# Altium PCB PCB1.PcbDoc (part 2 of 4)
Units mm, origin at the board's own origin, x right, y up, seen from the top; angles counter-clockwise.
Board outline 170.5 x 170.3 mm, 2 copper layers (Top Layer, Bottom Layer); 947 components, 657 nets, 3453 pads, 181 vias.
Unrouted connection lines stored in the file: 2490.
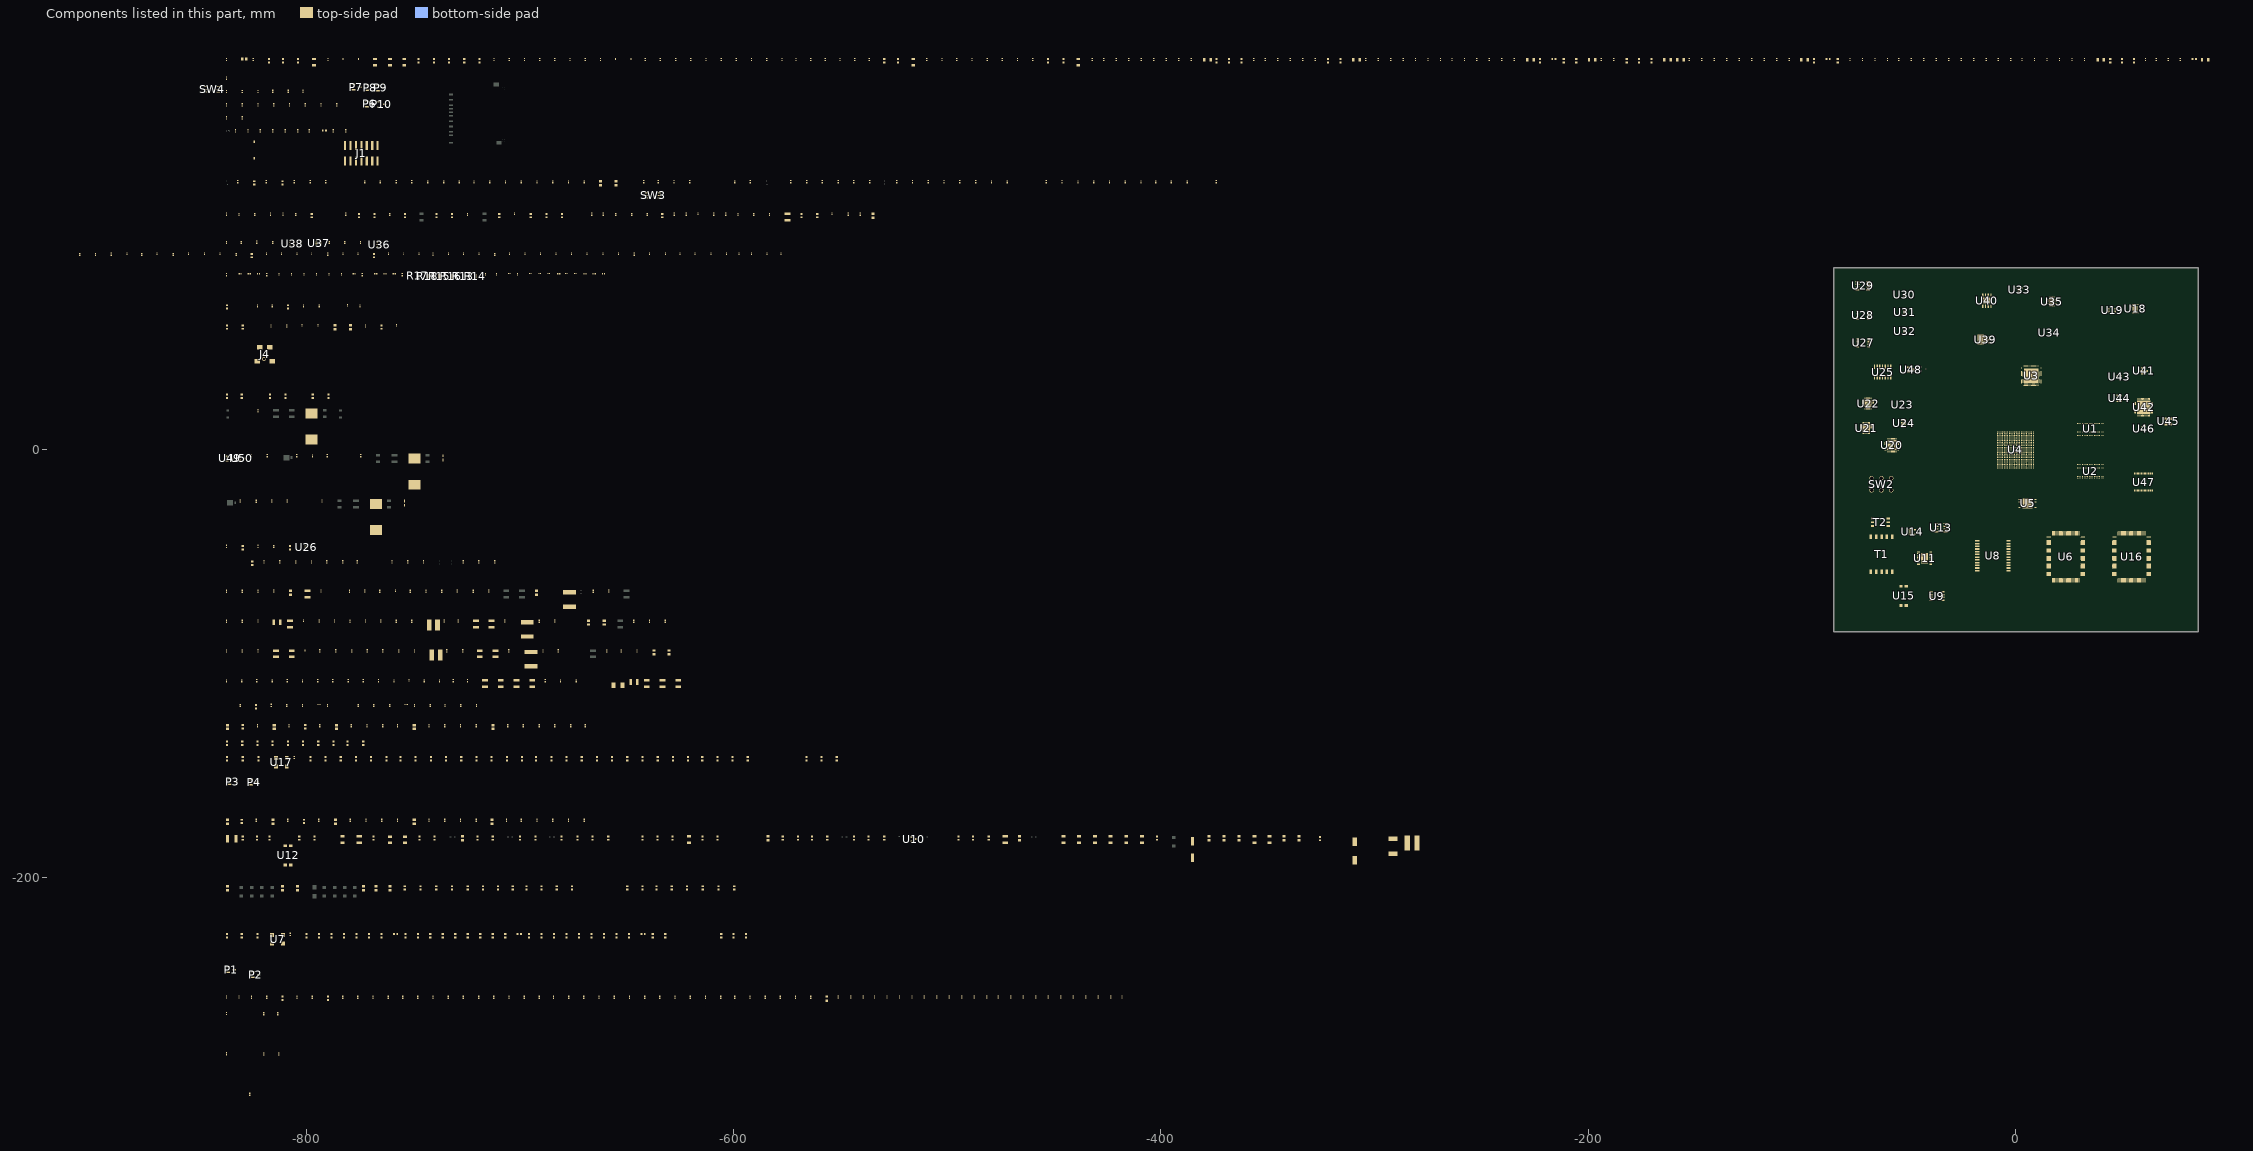
[diagram p2: the components of this part, seen from the top]

## Components (designator, comment, footprint, x,y, rotation, side; value= is the part's Value field where it differs from the comment) (continued)
L1 "INDUCTOR" Inductor_MSS7341-103MLB_2-PIN -282.382,-183.899 r0 top
L2 "INDUCTOR" Inductor_DO1813H-181MLB_2-PINS -291.272,-185.423 r90 top
L3 "INDUCTOR" Inductor0402(1005) -753.171,-119.129 r0 top
L4 "INDUCTOR" Inductor0402(1005) -793.938,-119.129 r0 top
L5 "INDUCTOR" Inductor_IHLP2020CZER1R5M01_2-PIN -653.984,-110.112 r0 top
L6 "INDUCTOR" Inductor_SRN6045-Series_2-PIN -694.751,-97.92 r90 top
L7 "INDUCTOR" Inductor_NRS5020T1R0NMGJ_2-PIN -739.201,-95.888 r0 top
L8 "INDUCTOR" Inductor_SRN6045-Series_2-PIN -696.529,-83.95 r90 top
L9 "INDUCTOR" Inductor_NRS5020T1R0NMGJ_2-PIN -740.471,-81.918 r0 top
L10 "INDUCTOR" Inductor_SRN6045-Series_2-PIN -676.717,-69.98 r90 top
L11 "INDUCTOR" Inductor_IHSM4825ER_2-PIN -767.268,-31.372 r90 top
L12 "INDUCTOR" Inductor_IHSM4825ER_2-PIN -749.234,-10.163 r90 top
L13 "INDUCTOR" Inductor_IHSM4825ER_2-PIN -797.367,11.046 r90 top
L14 "INDUCTOR" Inductor0402(1005) -546.288,110.36 r90 top
L15 "INDUCTOR" Inductor0402(1005) -540.7,110.36 r90 top
L16 "INDUCTOR" Inductor0402(1005) -609.153,110.36 r90 top
L17 "INDUCTOR" Inductor0402(1005) -603.565,110.36 r90 top
L18 "INDUCTOR" Inductor0402(1005) -627.695,110.36 r90 top
L19 "INDUCTOR" Inductor0402(1005) -622.107,110.36 r90 top
L20 "INDUCTOR" Inductor0603(1608) -633.283,109.725 r90 top
L21 "INDUCTOR" Inductor0402(1005) -666.303,110.36 r90 top
L22 "INDUCTOR" Inductor0402(1005) -660.969,110.36 r90 top
L23 "INDUCTOR" Inductor0402(1005) -781.365,110.36 r90 top
L24 "INDUCTOR" Inductor0402(1005) -816.671,110.36 r90 top
L25 "INDUCTOR" Inductor0402(1005) -810.829,110.36 r90 top
L26 "INDUCTOR" Inductor0402(1005) -837.245,110.36 r90 top
LD1 "LED0603" LED0603(1608) -791.398,149.476 r0 top
LD2 "LED0805" LED0805(2012) -466.024,-181.74 r90 top
LD3 "LED0603" LED0603(1608) -823.021,-181.613 r90 top
LD4 "LED0805" LED0603(1608) -811.083,124.965 r90 top
LD5 "LED0805" LED0603(1608) -824.291,124.965 r90 top
LD6 "LED0603" LED0603(1608)_HSMG-C190 -825.18,-52.962 r90 top
P1 "GRPB031VWTC-RC" Header_3-Pos_Sullins_GRPB031VWTC-RC -835.125,-243.25 r0 top
P2 "GRPB031VWTC-RC" Header_3-Pos_Sullins_GRPB031VWTC-RC -823.475,-245.5 r0 top
P3 "GRPB031VWTC-RC" Header_3-Pos_Sullins_GRPB031VWTC-RC -834.325,-155.225 r0 top
P4 "GRPB031VWTC-RC" Header_3-Pos_Sullins_GRPB031VWTC-RC -824.375,-155.5 r0 top
P6 "GRPB031VWTC-RC" Header_3-Pos_Sullins_GRPB031VWTC-RC -770.125,162 r0 top
P7 "GRPB031VWTC-RC" Header_3-Pos_Sullins_GRPB031VWTC-RC -776.425,169.8 r0 top
P8 "GRPB031VWTC-RC" Header_3-Pos_Sullins_GRPB031VWTC-RC -770.05,169.575 r0 top
P9 "GRPB031VWTC-RC" Header_3-Pos_Sullins_GRPB031VWTC-RC -764.975,169.475 r0 top
P10 "GRPB031VWTC-RC" Header_3-Pos_Sullins_GRPB031VWTC-RC -764.5,161.775 r0 top
R1 "RES_0402" RESC0402(1005)_N -660.842,82.42 r0 top
R2 "RES_0402" RESC0402(1005)_N -669.478,82.42 r0 top
R3 "RES_0402" RESC0402(1005)_N -665.16,82.42 r0 top
R4 "RES_0201" RESC0201(0603)_N -673.923,82.547 r0 top
R5 "RES_0201" RESC0201(0603)_N -678.241,82.547 r0 top
R6 "RES_0201" RESC0201(0603)_N -686.369,82.547 r0 top
R7 "RES_0201" RESC0201(0603)_N -695.005,82.547 r0 top
R8 "RES_0201" RESC0201(0603)_N -690.687,82.547 r0 top
R9 "RES_0201" RESC0201(0603)_N -704.911,82.547 r0 top
R10 "RES_0201" RESC0201(0603)_N -700.974,82.166 r90 top
R11 "RES_0201" RESC0201(0603)_N -715.96,82.166 r90 top
R12 "RES_0201" RESC0201(0603)_N -710.88,82.166 r90 top
R13 "RES_4-ARRAY" RES_4-ARRAY_YC124-JR-0722RL -726.374,81.404 r0 top
R14 "RES_4-ARRAY" RES_4-ARRAY_YC124-JR-0722RL -720.786,81.404 r0 top
R15 "RES_4-ARRAY" RES_4-ARRAY_YC124-JR-0722RL -737.55,81.404 r0 top
R16 "RES_4-ARRAY" RES_4-ARRAY_YC124-JR-0722RL -731.962,81.404 r0 top
R17 "RES_4-ARRAY" RES_4-ARRAY_YC124-JR-0722RL -747.65,81.5 r0 top
R18 "RES_4-ARRAY" RES_4-ARRAY_YC124-JR-0722RL -743.138,81.404 r0 top
R19 "RES_0402" RESC0402(1005)_N -754.949,82.039 r90 top
R20 "RES_0402" RESC0402(1005)_N -773.745,82.039 r90 top
R21 "RES_0201" RESC0201(0603)_N -783.524,82.166 r90 top
R22 "RES_0201" RESC0201(0603)_N -789.366,82.166 r90 top
R23 "RES_0201" RESC0201(0603)_N -795.208,82.166 r90 top
R24 "RES_0201" RESC0201(0603)_N -801.05,82.166 r90 top
R25 "RES_0201" RESC0201(0603)_N -812.734,82.166 r90 top
R26 "RES_0201" RESC0201(0603)_N -806.892,82.166 r90 top
R27 "RES_0402" RESC0402(1005)_N -818.449,82.039 r90 top
R28 "RES_0402" RESC0402(1005)_N -837.245,82.039 r90 top
R29 "RES_0402" RESC0402(1005)_N -787.334,149.349 r90 top
R30 "RES_0402" RESC0402(1005)_N -781.492,149.349 r90 top
R31 "RES_0402" RESC0402(1005)_N -803.844,149.349 r90 top
R32 "RES_0402" RESC0402(1005)_N -798.51,149.349 r90 top
R33 "RES_0402" RESC0402(1005)_N -809.686,149.349 r90 top
R34 "RES_0402" RESC0402(1005)_N -821.37,149.349 r90 top
R35 "RES_0402" RESC0402(1005)_N -815.528,149.349 r90 top
R36 "RES_0402" RESC0402(1005)_N -827.212,149.349 r90 top
R37 "RES_0402" RESC0402(1005)_N -833.054,149.349 r90 top
R38 "RES_0402" RESC0402(1005)_N -837.245,-282.578 r90 top
R39 "RES_0402" RESC0402(1005)_N -837.245,-263.782 r90 top
R40 "RES_0402" RESC0402(1005)_N -545.145,-256.035 r90 top
R41 "RES_0402" RESC0402(1005)_N -539.303,-256.035 r90 top
R42 "RES_0402" RESC0402(1005)_N -533.969,-256.035 r90 top
R43 "RES_0402" RESC0402(1005)_N -528.127,-256.035 r90 top
R44 "RES_0402" RESC0402(1005)_N -522.285,-256.035 r90 top
R45 "RES_0402" RESC0402(1005)_N -516.443,-256.035 r90 top
R46 "RES_0402" RESC0402(1005)_N -510.601,-256.035 r90 top
R47 "RES_0402" RESC0402(1005)_N -504.759,-256.035 r90 top
R48 "RES_0402" RESC0402(1005)_N -498.917,-256.035 r90 top
R49 "RES_0402" RESC0402(1005)_N -493.075,-256.035 r90 top
R50 "RES_0402" RESC0402(1005)_N -487.233,-256.035 r90 top
R51 "RES_0402" RESC0402(1005)_N -481.391,-256.035 r90 top
R52 "RES_0402" RESC0402(1005)_N -476.057,-256.035 r90 top
R53 "RES_0402" RESC0402(1005)_N -470.215,-256.035 r90 top
R54 "RES_0402" RESC0402(1005)_N -464.373,-256.035 r90 top
R55 "RES_0402" RESC0402(1005)_N -458.531,-256.035 r90 top
R56 "RES_0402" RESC0402(1005)_N -452.689,-256.035 r90 top
R57 "RES_0402" RESC0402(1005)_N -446.847,-256.035 r90 top
R58 "RES_0402" RESC0402(1005)_N -441.005,-256.035 r90 top
R59 "RES_0402" RESC0402(1005)_N -435.163,-256.035 r90 top
R60 "RES_0402" RESC0402(1005)_N -429.321,-256.035 r90 top
R61 "RES_0402" RESC0402(1005)_N -423.479,-256.035 r90 top
R62 "RES_0402" RESC0402(1005)_N -418.145,-256.035 r90 top
R63 "RES_0402" RESC0402(1005)_N -550.987,-256.035 r90 top
R64 "RES_0402" RESC0402(1005)_N -831.403,-256.035 r90 top
R65 "RES_0402" RESC0402(1005)_N -837.245,-256.035 r90 top
R66 "RES_0603" RESC0603(1608)_N -594.04,-227.333 r90 top
R67 "RES_0603" RESC0603(1608)_N -605.724,-227.333 r90 top
R68 "RES_0603" RESC0603(1608)_N -599.882,-227.333 r90 top
R69 "RES_0603" RESC0603(1608)_N -631.886,-227.333 r90 top
R70 "RES_0603" RESC0603(1608)_N -637.728,-227.333 r90 top
R71 "RES_0603" RESC0603(1608)_N -642.3,-226.571 r0 top
R72 "RES_0603" RESC0603(1608)_N -648.904,-227.333 r90 top
R73 "RES_0603" RESC0603(1608)_N -654.746,-227.333 r90 top
R74 "RES_0603" RESC0603(1608)_N -660.588,-227.333 r90 top
R75 "RES_0603" RESC0603(1608)_N -666.43,-227.333 r90 top
R76 "RES_0603" RESC0603(1608)_N -672.272,-227.333 r90 top
R77 "RES_0603" RESC0603(1608)_N -678.114,-227.333 r90 top
R78 "RES_0603" RESC0603(1608)_N -683.956,-227.333 r90 top
R79 "RES_0603" RESC0603(1608)_N -689.798,-227.333 r90 top
R80 "RES_0603" RESC0603(1608)_N -695.64,-227.333 r90 top
R81 "RES_0603" RESC0603(1608)_N -700.212,-226.571 r0 top
R82 "RES_0603" RESC0603(1608)_N -706.816,-227.333 r90 top
R83 "RES_0603" RESC0603(1608)_N -712.658,-227.333 r90 top
R84 "RES_0603" RESC0603(1608)_N -718.5,-227.333 r90 top
R85 "RES_0603" RESC0603(1608)_N -724.342,-227.333 r90 top
R86 "RES_0603" RESC0603(1608)_N -736.026,-227.333 r90 top
R87 "RES_0603" RESC0603(1608)_N -730.184,-227.333 r90 top
R88 "RES_0603" RESC0603(1608)_N -741.868,-227.333 r90 top
R89 "RES_0603" RESC0603(1608)_N -747.71,-227.333 r90 top
R90 "RES_0603" RESC0603(1608)_N -753.552,-227.333 r90 top
R91 "RES_0603" RESC0603(1608)_N -758.124,-226.571 r0 top
R92 "RES_0603" RESC0603(1608)_N -764.728,-227.333 r90 top
R93 "RES_0603" RESC0603(1608)_N -770.57,-227.333 r90 top
R94 "RES_0603" RESC0603(1608)_N -776.412,-227.333 r90 top
R95 "RES_0603" RESC0603(1608)_N -782.254,-227.333 r90 top
R96 "RES_0603" RESC0603(1608)_N -788.096,-227.333 r90 top
R97 "RES_0603" RESC0603(1608)_N -793.938,-227.333 r90 top
R98 "RES_0603" RESC0603(1608)_N -799.78,-227.333 r90 top
R99 "RES_0603" RESC0603(1608)_N -822.767,-227.333 r90 top
R100 "RES_0603" RESC0603(1608)_N -649.666,-204.981 r90 top
R101 "RES_0603" RESC0603(1608)_N -642.554,-204.981 r90 top
R102 "RES_0603" RESC0603(1608)_N -635.95,-204.981 r90 top
R103 "RES_0603" RESC0603(1608)_N -628.838,-204.981 r90 top
R104 "RES_0603" RESC0603(1608)_N -696.91,-204.981 r90 top
R105 "RES_0603" RESC0603(1608)_N -689.798,-204.981 r90 top
R106 "RES_0603" RESC0603(1608)_N -682.686,-204.981 r90 top
R107 "RES_0603" RESC0603(1608)_N -675.574,-204.981 r90 top
R108 "RES_0603" RESC0603(1608)_N -724.342,-204.981 r90 top
R109 "RES_0603" RESC0603(1608)_N -717.23,-204.981 r90 top
R110 "RES_0603" RESC0603(1608)_N -710.118,-204.981 r90 top
R111 "RES_0603" RESC0603(1608)_N -703.26,-204.981 r90 top
R112 "RES_0805" RESC0805(2012)_N -342.199,-181.74 r90 top
R113 "RES_0603" RESC0603(1608)_N -325.5,-181.85 r90 top
R114 "RES_0805" RESC0805(2012)_N -370.393,-181.74 r90 top
R115 "RES_0603" RESC0603(1608)_N -480.502,-181.613 r90 top
R116 "RES_0603" RESC0603(1608)_N -494.726,-181.613 r90 top
R117 "RES_0603" RESC0603(1608)_N -529.397,-181.613 r90 top
R118 "RES_0603" RESC0603(1608)_N -543.621,-181.613 r90 top
R119 "RES_0603" RESC0603(1608)_N -556.067,-181.613 r90 top
R120 "RES_0603" RESC0603(1608)_N -563.179,-181.613 r90 top
R121 "RES_0603" RESC0603(1608)_N -569.783,-181.613 r90 top
R122 "RES_0603" RESC0603(1608)_N -576.895,-181.613 r90 top
R123 "RES_0805" RESC0805(2012)_N -583.753,-181.74 r90 top
R124 "RES_0603" RESC0603(1608)_N -607.375,-181.613 r90 top
R125 "RES_0603" RESC0603(1608)_N -614.487,-181.613 r90 top
R126 "RES_0603" RESC0603(1608)_N -628.457,-181.613 r90 top
R127 "RES_0603" RESC0603(1608)_N -635.569,-181.613 r90 top
R128 "RES_0603" RESC0603(1608)_N -642.554,-181.613 r90 top
R129 "RES_0603" RESC0603(1608)_N -658.556,-181.613 r90 top
R130 "RES_0603" RESC0603(1608)_N -673.034,-181.613 r90 top
R131 "RES_0603" RESC0603(1608)_N -692.592,-181.613 r90 top
R132 "RES_0603" RESC0603(1608)_N -712.658,-181.613 r90 top
R133 "RES_0603" RESC0603(1608)_N -719.77,-181.613 r90 top
R134 "RES_0805" RESC0805(2012)_N -726.755,-181.74 r90 top
R135 "RES_0603" RESC0603(1608)_N -746.948,-181.613 r90 top
R136 "RES_1206" RESC1206(3216)_N -760.791,-182.375 r90 top
R137 "RES_1206" RESC1206(3216)_N -753.679,-182.375 r90 top
R138 "RES_0603" RESC0603(1608)_N -803.209,-181.613 r90 top
R139 "RES_0603" RESC0603(1608)_N -796.097,-181.613 r90 top
R140 "RES_0603" RESC0603(1608)_N -817.179,-181.613 r90 top
R141 "RES_0603" RESC0603(1608)_N -829.625,-181.613 r90 top
R142 "RES_0603" RESC0603(1608)_N -800.923,-173.866 r90 top
R143 "RES_0603" RESC0603(1608)_N -830.133,-173.866 r90 top
R144 "RES_0603" RESC0603(1608)_N -551.622,-144.529 r90 top
R145 "RES_0603" RESC0603(1608)_N -565.846,-144.529 r90 top
R146 "RES_0603" RESC0603(1608)_N -558.734,-144.529 r90 top
R147 "RES_0603" RESC0603(1608)_N -593.278,-144.529 r90 top
R148 "RES_0603" RESC0603(1608)_N -600.39,-144.529 r90 top
R149 "RES_0603" RESC0603(1608)_N -607.502,-144.529 r90 top
R150 "RES_0603" RESC0603(1608)_N -614.614,-144.529 r90 top
R151 "RES_0603" RESC0603(1608)_N -621.218,-144.529 r90 top
R152 "RES_0603" RESC0603(1608)_N -628.33,-144.529 r90 top
R153 "RES_0603" RESC0603(1608)_N -635.442,-144.529 r90 top
R154 "RES_0603" RESC0603(1608)_N -642.554,-144.529 r90 top
R155 "RES_0603" RESC0603(1608)_N -649.666,-144.529 r90 top
R156 "RES_0603" RESC0603(1608)_N -656.778,-144.529 r90 top
R157 "RES_0603" RESC0603(1608)_N -663.89,-144.529 r90 top
R158 "RES_0603" RESC0603(1608)_N -671.002,-144.529 r90 top
R159 "RES_0603" RESC0603(1608)_N -678.114,-144.529 r90 top
R160 "RES_0603" RESC0603(1608)_N -685.226,-144.529 r90 top
R161 "RES_0603" RESC0603(1608)_N -698.942,-144.529 r90 top
R162 "RES_0603" RESC0603(1608)_N -692.338,-144.529 r90 top
R163 "RES_0603" RESC0603(1608)_N -706.054,-144.529 r90 top
R164 "RES_0603" RESC0603(1608)_N -713.166,-144.529 r90 top
R165 "RES_0603" RESC0603(1608)_N -720.278,-144.529 r90 top
R166 "RES_0603" RESC0603(1608)_N -727.39,-144.529 r90 top
R167 "RES_0603" RESC0603(1608)_N -734.502,-144.529 r90 top
R168 "RES_0603" RESC0603(1608)_N -741.614,-144.529 r90 top
R169 "RES_0603" RESC0603(1608)_N -748.726,-144.529 r90 top
R170 "RES_0603" RESC0603(1608)_N -755.838,-144.529 r90 top
R171 "RES_0603" RESC0603(1608)_N -762.442,-144.529 r90 top
R172 "RES_0603" RESC0603(1608)_N -769.554,-144.529 r90 top
R173 "RES_0603" RESC0603(1608)_N -776.666,-144.529 r90 top
R174 "RES_0603" RESC0603(1608)_N -783.778,-144.529 r90 top
R175 "RES_0603" RESC0603(1608)_N -790.89,-144.529 r90 top
R176 "RES_0603" RESC0603(1608)_N -798.002,-144.529 r90 top
R177 "RES_0603" RESC0603(1608)_N -822.259,-144.529 r90 top
R178 "RES_0603" RESC0603(1608)_N -808.543,-137.29 r90 top
R179 "RES_0603" RESC0603(1608)_N -801.431,-137.29 r90 top
R180 "RES_0603" RESC0603(1608)_N -794.319,-137.29 r90 top
R181 "RES_0603" RESC0603(1608)_N -787.207,-137.29 r90 top
R182 "RES_0603" RESC0603(1608)_N -836.991,-137.29 r90 top
R183 "RES_0603" RESC0603(1608)_N -829.879,-137.29 r90 top
R184 "RES_0603" RESC0603(1608)_N -822.767,-137.29 r90 top
R185 "RES_0603" RESC0603(1608)_N -815.655,-137.29 r90 top
R186 "RES_0603" RESC0603(1608)_N -800.415,-129.543 r90 top
R187 "RES_0603" RESC0603(1608)_N -829.625,-129.543 r90 top
R188 "RES_0402" RESC0402(1005)_N -816.29,-119.51 r90 top
R189 "RES_0402" RESC0402(1005)_N -688.147,-107.953 r90 top
R190 "RES_0402" RESC0402(1005)_N -724.469,-107.953 r90 top
R191 "RES_0402" RESC0402(1005)_N -731.073,-107.953 r90 top
R192 "RES_0402" RESC0402(1005)_N -766.125,-107.953 r90 top
R193 "RES_0402" RESC0402(1005)_N -773.237,-107.953 r90 top
R194 "RES_0402" RESC0402(1005)_N -780.349,-107.953 r90 top
R195 "RES_0402" RESC0402(1005)_N -787.461,-107.953 r90 top
R196 "RES_0402" RESC0402(1005)_N -794.573,-107.953 r90 top
R197 "RES_0402" RESC0402(1005)_N -808.797,-107.953 r90 top
R198 "RES_0402" RESC0402(1005)_N -823.021,-107.953 r90 top
R199 "RES_0402" RESC0402(1005)_N -681.924,-93.983 r90 top
R200 "RES_0402" RESC0402(1005)_N -705.165,-93.983 r90 top
R201 "RES_0402" RESC0402(1005)_N -726.755,-93.983 r90 top
R202 "RES_0402" RESC0402(1005)_N -734.121,-93.983 r90 top
R203 "RES_0402" RESC0402(1005)_N -764.093,-93.983 r90 top
R204 "RES_0402" RESC0402(1005)_N -771.459,-93.983 r90 top
R205 "RES_0402" RESC0402(1005)_N -786.191,-93.983 r90 top
R206 "RES_0402" RESC0402(1005)_N -793.557,-93.983 r90 top
R207 "RES_0402" RESC0402(1005)_N -822.513,-93.983 r90 top
R208 "RES_0402" RESC0402(1005)_N -683.702,-80.013 r90 top
R209 "RES_0402" RESC0402(1005)_N -706.943,-80.013 r90 top
R210 "RES_0402" RESC0402(1005)_N -728.787,-80.013 r90 top
R211 "RES_0402" RESC0402(1005)_N -735.391,-80.013 r90 top
R212 "RES_0402" RESC0402(1005)_N -765.109,-80.013 r90 top
R213 "RES_0402" RESC0402(1005)_N -772.221,-80.013 r90 top
R214 "RES_0402" RESC0402(1005)_N -786.699,-80.013 r90 top
R215 "RES_0402" RESC0402(1005)_N -793.811,-80.013 r90 top
R216 "RES_0402" RESC0402(1005)_N -822.513,-80.013 r90 top
R217 "RES_0402" RESC0402(1005)_N -658.302,-66.043 r90 top
R218 "RES_0805" RESC0805(2012)_N -692.211,-66.805 r90 top
R219 "RES_0402" RESC0402(1005)_N -714.563,-66.043 r90 top
R220 "RES_0402" RESC0402(1005)_N -729.295,-66.043 r90 top
R221 "RES_0402" RESC0402(1005)_N -772.475,-66.043 r90 top
R222 "RES_0402" RESC0402(1005)_N -793.049,-66.043 r90 top
R223 "RES_0402" RESC0402(1005)_N -815.147,-66.043 r90 top
R224 "RES_0402" RESC0402(1005)_N -711.769,-52.327 r90 top
R225 "RES_0402" RESC0402(1005)_N -719.135,-52.327 r90 top
R226 "RES_0402" RESC0402(1005)_N -726.501,-52.327 r90 top
R227 "RES_0402" RESC0402(1005)_N -745.043,-52.327 r90 top
R228 "RES_0402" RESC0402(1005)_N -759.775,-52.327 r90 top
R229 "RES_0402" RESC0402(1005)_N -752.409,-52.327 r90 top
R230 "RES_0402" RESC0402(1005)_N -776.031,-52.327 r90 top
R231 "RES_0402" RESC0402(1005)_N -782.889,-52.327 r90 top
R232 "RES_0402" RESC0402(1005)_N -790.255,-52.327 r90 top
R233 "RES_0402" RESC0402(1005)_N -819.719,-52.327 r90 top
R234 "RES_0402" RESC0402(1005)_N -822.513,-45.088 r90 top
R235 "RES_0402" RESC0402(1005)_N -837.245,-45.088 r90 top
R236 "RES_0402" RESC0402(1005)_N -792.541,-23.879 r90 top
R237 "RES_0402" RESC0402(1005)_N -808.797,-23.879 r90 top
R238 "RES_0402" RESC0402(1005)_N -816.163,-23.879 r90 top
R239 "RES_0402" RESC0402(1005)_N -830.895,-23.879 r90 top
R240 "RES_0402" RESC0402(1005)_N -774.507,-2.67 r90 top
R241 "RES_0402" RESC0402(1005)_N -790.128,-2.67 r90 top
R242 "RES_0402" RESC0402(1005)_N -804.352,-2.67 r90 top
R244 "RES_0805" RESC0805(2012)_N -786.572,57.401 r90 top
R245 "RES_0805" RESC0805(2012)_N -779.206,57.401 r90 top
R246 "RES_0201" RESC0201(0603)_N -794.446,58.29 r90 top
R247 "RES_0201" RESC0201(0603)_N -801.812,58.29 r90 top
R248 "RES_0603" RESC0603(1608)_N -836.991,57.528 r90 top
R249 "RES_0603" RESC0603(1608)_N -829.625,57.528 r90 top
R250 "RES_0603" RESC0603(1608)_N -836.991,66.926 r90 top
R251 "RES_0201" RESC0201(0603)_N -631.87,91.765 r90 top
R252 "RES_0201" RESC0201(0603)_N -653.714,91.765 r90 top
R253 "RES_0402" RESC0402(1005)_N -740.582,91.638 r90 top
R254 "RES_0402" RESC0402(1005)_N -789.858,91.638 r90 top
R255 "RES_0201" RESC0201(0603)_N -840.277,91.765 r90 top
R256 "RES_0201" RESC0201(0603)_N -869.741,91.765 r90 top
R257 "RES_0402" RESC0402(1005)_N -823.021,97.279 r90 top
R258 "RES_0805" RESC0805(2012)_N -534.731,109.598 r90 top
R259 "RES_0201" RESC0201(0603)_N -553.781,110.487 r90 top
R260 "RES_0603" RESC0603(1608)_N -767.903,109.725 r90 top
R261 "RES_0402" RESC0402(1005)_N -374.076,125.6 r90 top
R262 "RES_0402" RESC0402(1005)_N -446.212,125.6 r90 top
R263 "RES_0402" RESC0402(1005)_N -453.578,125.6 r90 top
R265 "RES_0402" RESC0402(1005)_N -494.091,125.6 r90 top
R266 "RES_0402" RESC0402(1005)_N -486.598,125.6 r90 top
R267 "RES_0402" RESC0402(1005)_N -501.457,125.6 r90 top
R268 "RES_0402" RESC0402(1005)_N -516.189,125.6 r90 top
R269 "RES_0402" RESC0402(1005)_N -508.823,125.6 r90 top
R270 "RES_0402" RESC0402(1005)_N -523.555,125.6 r90 top
R271 "RES_0402" RESC0402(1005)_N -536.255,125.6 r90 top